# Allegro board 6089-119-RevB_08.brd (continued)
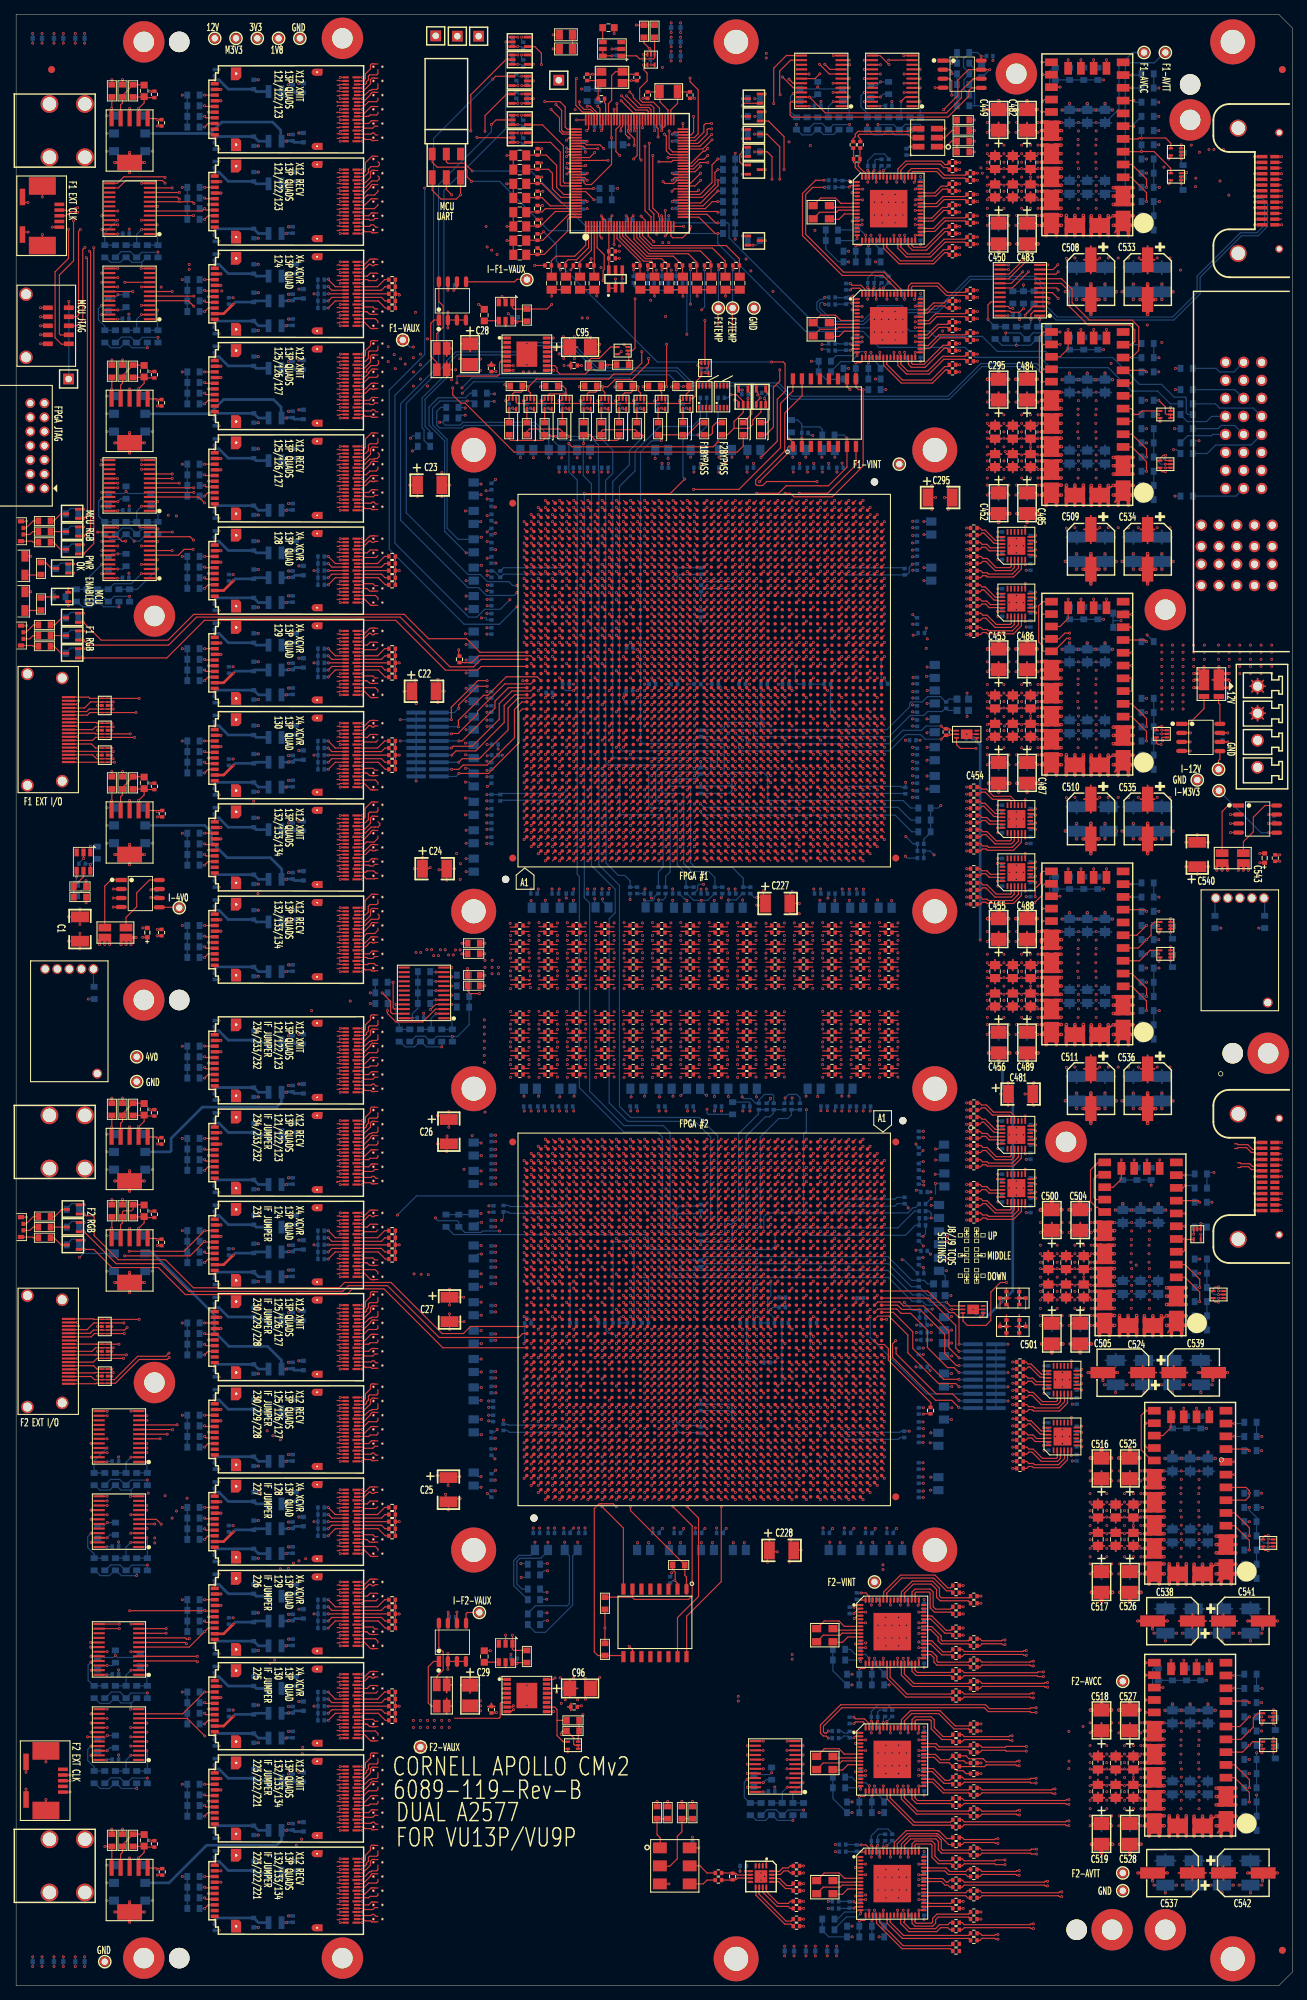
[diagram p0: board, top side]
## Routing (per net, layer and track width the routed paths; a pad name or vN(x,y) marks a point on that pad's centre or on a via; arc(x,y) is an arc through that point) (continued)
PF2_C_XMIT2: length 38.3
  TOP w0.165: 96.3,146.09 95.64,146.09 C160.2 ; U77.AH9 94.61,111.29
  SIG1 w0.083: 94.61,111.29 94.61,111.48 arc(94.67,111.64) 94.83,111.7 94.91,111.7 arc(95.16,111.8) 95.26,112.05 95.26,123.12 95.25,123.12 95.25,123.41 95.26,123.41 95.26,126.43 arc(95.21,126.67) 95.08,126.87 95.02,126.92 arc(94.97,127) 94.95,127.1 94.95,138.03 94.89,138.25 94.85,138.41 94.85,145.71 arc(94.89,145.92) 94.99,146.1 arc(95.02,146.13) 95.06,146.16 arc(95.21,146.24) 95.39,146.29 arc(95.43,146.3) 95.47,146.3 95.9,146.3 arc(96.07,146.27) 96.22,146.17 96.3,146.09
PF2_C_XMIT3: length 39.3
  TOP w0.165: 96.3,148.54 95.59,148.54 C158.2 ; U77.AJ7 93.61,113.29
  SIG1 w0.083: 96.3,148.54 96.22,148.62 arc(96.08,148.72) 95.9,148.75 94.62,148.75 arc(94.51,148.73) 94.41,148.66 arc(94.33,148.55) 94.27,148.42 arc(94.26,148.38) 94.26,148.34 94.26,114.05 arc(94.16,113.8) 93.91,113.7 93.83,113.7 arc(93.67,113.64) 93.61,113.48 93.61,113.29
PF2_D_RECV0: length 15.7
  TOP w0.165: C190.1 99.64,128.59 100.3,128.59 ; U77.AB4 101.39,116.29
  SIG2 w0.083: 100.3,128.59 100.1,128.79 arc(100.07,128.81) 100.04,128.82 99.96,128.82 arc(99.93,128.81) 99.91,128.81 arc(99.86,128.78) 99.84,128.73 99.84,128.3 99.84,128.3 arc(99.91,127.98) 100.09,127.71 101.39,126.41 arc(101.84,125.73) 102,124.94 102,117.13 arc(101.87,116.82) 101.56,116.69 101.47,116.69 arc(101.42,116.66) 101.39,116.6 101.39,116.29
PF2_D_RECV1: length 16.1
  TOP w0.165: 100.3,131.05 99.6,131.05 C188.1 ; U77.AC2 100.39,118.29
  SIG2 w0.083: 100.39,118.29 100.39,118.6 arc(100.42,118.66) 100.47,118.69 100.56,118.69 arc(100.87,118.82) 101,119.13 101,125.03 arc(100.87,125.69) 100.49,126.25 99.71,127.04 99.7,127.04 arc(99.48,127.38) 99.4,127.78 99.4,130.72 arc(99.56,131.11) 99.96,131.28 100.04,131.28 arc(100.07,131.27) 100.1,131.25 100.3,131.05
PF2_D_RECV2: length 21.1
  TOP w0.165: 100.3,133.59 99.64,133.59 C186.1 ; U77.AD4 99.39,116.29
  SIG2 w0.083: 100.3,133.59 100.1,133.79 arc(100.07,133.81) 100.04,133.82 99.25,133.82 arc(98.97,133.7) 98.85,133.42 98.85,127.51 arc(98.97,126.9) 99.32,126.38 99.59,126.11 arc(99.89,125.65) 100,125.11 100,117.13 arc(99.87,116.82) 99.56,116.69 99.47,116.69 arc(99.42,116.66) 99.39,116.6 99.39,116.29
PF2_D_RECV3: length 21.8
  TOP w0.165: C184.1 99.59,136.04 100.3,136.04 ; U77.AE2 98.39,118.29
  SIG2 w0.083: 100.3,136.04 100.1,136.24 arc(100.07,136.26) 100.04,136.27 99,136.27 arc(98.51,136.06) 98.31,135.57 98.31,127.02 arc(98.44,126.34) 98.83,125.77 arc(98.96,125.58) 99,125.35 99,119.13 arc(98.87,118.82) 98.56,118.69 98.47,118.69 arc(98.42,118.66) 98.39,118.6 98.39,118.29
PF2_D_XMIT0: length 33.1
  TOP w0.165: U77.AB9 101.39,111.29 ; C182.2 99.64,141.09 100.3,141.09
  SIG1 w0.083: 100.3,141.09 100.1,141.29 arc(100.07,141.31) 100.04,141.31 99.96,141.31 arc(99.9,141.29) 99.88,141.23 99.88,140.5 arc(99.9,140.38) 99.97,140.28 100.87,139.38 arc(101.12,139) 101.21,138.55 101.21,127.04 arc(101.22,126.99) 101.25,126.95 101.68,126.51 arc(101.92,126.16) 102,125.75 102,112.13 arc(101.87,111.82) 101.56,111.69 101.47,111.69 arc(101.42,111.66) 101.39,111.6 101.39,111.29
PF2_D_XMIT1: length 33.7
  TOP w0.165: U77.AC7 100.39,113.29 ; 100.3,143.55 99.6,143.55 C180.2
  SIG1 w0.083: 100.39,113.29 100.39,113.38 arc(100.45,113.53) 100.6,113.59 arc(100.89,113.71) 101.01,114 101.01,121.74 101.1,121.83 101.1,122.16 101.01,122.25 101.01,122.58 101.1,122.67 101.1,123 101.01,123.09 101.01,125.5 arc(100.9,126.04) 100.59,126.5 100.25,126.84 arc(100.04,127.17) 99.96,127.55 99.96,127.79 99.95,127.8 99.95,139.01 arc(99.84,139.59) 99.51,140.09 99.51,140.09 arc(99.4,140.25) 99.36,140.45 99.36,143.18 arc(99.53,143.6) 99.96,143.78 100.04,143.78 arc(100.07,143.77) 100.1,143.75 100.3,143.55
PF2_D_XMIT2: length 38.5
  TOP w0.165: U77.AD9 99.39,111.29 ; 100.3,146.09 99.64,146.09 C178.2
  SIG1 w0.083: 99.39,111.29 99.39,111.53 arc(99.44,111.64) 99.55,111.69 arc(99.87,111.83) 100.01,112.15 100.01,126.06 arc(99.95,126.37) 99.78,126.62 99.24,127.16 99.22,127.18 99.2,127.25 99.2,138.73 99.2,138.82 99.2,138.95 arc(99.18,139.07) 99.14,139.18 99.08,139.29 99.05,139.32 arc(98.91,139.59) 98.86,139.9 98.86,143.4 arc(98.89,143.54) 98.97,143.66 99.08,143.77 arc(99.17,143.91) 99.2,144.07 99.2,146.22 arc(99.22,146.27) 99.26,146.3 arc(99.33,146.31) 99.4,146.31 100.04,146.31 arc(100.07,146.31) 100.1,146.29 100.3,146.09
PF2_D_XMIT3: length 39.4
  TOP w0.165: U77.AE7 98.39,113.29 ; 100.3,148.54 99.59,148.54 C176.2
  SIG1 w0.083: 100.3,148.54 100.1,148.74 arc(100.07,148.76) 100.04,148.76 98.75,148.76 arc(98.47,148.65) 98.36,148.37 98.36,127.13 arc(98.4,126.95) 98.5,126.8 arc(98.79,126.42) 98.98,125.99 arc(99,125.92) 99,125.85 99,114.13 arc(98.87,113.82) 98.56,113.69 98.47,113.69 arc(98.42,113.66) 98.39,113.6 98.39,113.29
PF2_E_RECV0: length 15.7
  TOP w0.165: 104.3,128.59 103.64,128.59 C210.1 ; U77.V4 105.39,116.29
  SIG2 w0.083: 104.3,128.59 104.1,128.79 arc(104.07,128.81) 104.04,128.82 103.96,128.82 arc(103.93,128.81) 103.91,128.81 arc(103.86,128.78) 103.84,128.73 103.84,128.3 103.84,128.3 arc(103.91,127.98) 104.09,127.71 105.39,126.41 arc(105.84,125.73) 106,124.94 106,117.13 arc(105.87,116.82) 105.56,116.69 105.47,116.69 arc(105.42,116.66) 105.39,116.6 105.39,116.29
PF2_E_RECV1: length 16.1
  TOP w0.165: C208.1 103.6,131.05 104.3,131.05 ; U77.W2 104.39,118.29
  SIG2 w0.083: 104.39,118.29 104.39,118.6 arc(104.42,118.66) 104.47,118.69 104.56,118.69 arc(104.87,118.82) 105,119.13 105,125.03 arc(104.87,125.69) 104.49,126.25 103.71,127.04 103.7,127.04 arc(103.48,127.38) 103.4,127.78 103.4,130.72 arc(103.56,131.11) 103.96,131.28 104.04,131.28 arc(104.07,131.27) 104.1,131.25 104.3,131.05
PF2_E_RECV2: length 21.1
  TOP w0.165: 104.3,133.59 103.64,133.59 C206.1 ; U77.Y4 103.39,116.29
  SIG2 w0.083: 104.3,133.59 104.1,133.79 arc(104.07,133.81) 104.04,133.82 103.25,133.82 arc(102.97,133.7) 102.85,133.42 102.85,127.51 arc(102.97,126.9) 103.32,126.38 103.59,126.11 arc(103.89,125.65) 104,125.11 104,117.13 arc(103.87,116.82) 103.56,116.69 103.47,116.69 arc(103.42,116.66) 103.39,116.6 103.39,116.29
PF2_E_RECV3: length 21.8
  TOP w0.165: 104.3,136.04 103.59,136.04 C204.1 ; U77.AA2 102.39,118.29
  SIG2 w0.083: 104.3,136.04 104.1,136.24 arc(104.07,136.26) 104.04,136.27 103,136.27 arc(102.51,136.06) 102.31,135.57 102.31,127.02 arc(102.44,126.34) 102.83,125.77 arc(102.96,125.58) 103,125.35 103,119.13 arc(102.87,118.82) 102.56,118.69 102.47,118.69 arc(102.42,118.66) 102.39,118.6 102.39,118.29
PF2_E_XMIT0: length 33.1
  TOP w0.165: 104.3,141.09 103.64,141.09 C202.2 ; U77.V9 105.39,111.29
  SIG1 w0.083: 105.39,111.29 105.39,111.6 arc(105.42,111.66) 105.47,111.69 105.56,111.69 arc(105.87,111.82) 106,112.13 106,125.75 arc(105.89,126.3) 105.58,126.77 105.45,126.9 arc(105.27,127.16) 105.21,127.47 105.21,138.55 arc(105.12,139) 104.87,139.38 103.97,140.28 arc(103.9,140.38) 103.88,140.5 103.88,141.23 arc(103.9,141.29) 103.96,141.31 104.04,141.31 arc(104.07,141.31) 104.1,141.29 104.3,141.09
PF2_E_XMIT1: length 33.7
  TOP w0.165: C200.2 103.6,143.55 104.3,143.55 ; U77.W7 104.39,113.29
  SIG1 w0.083: 104.3,143.55 104.1,143.75 arc(104.07,143.77) 104.04,143.78 103.96,143.78 arc(103.53,143.6) 103.36,143.18 103.36,140.45 arc(103.4,140.25) 103.51,140.09 103.51,140.09 arc(103.84,139.59) 103.95,139.01 103.95,127.68 arc(104.04,127.23) 104.3,126.85 104.77,126.38 arc(104.95,126.11) 105.01,125.8 105.01,123.09 105.1,123 105.1,122.67 105.01,122.58 105.01,122.25 105.1,122.16 105.1,121.83 105.01,121.74 105.01,114 arc(104.89,113.71) 104.6,113.59 arc(104.45,113.53) 104.39,113.38 104.39,113.29
PF2_E_XMIT2: length 38.5
  TOP w0.165: U77.Y9 103.39,111.29 ; C198.2 103.64,146.09 104.3,146.09
  SIG1 w0.083: 104.3,146.09 104.1,146.29 arc(104.07,146.31) 104.04,146.31 103.4,146.31 arc(103.33,146.31) 103.26,146.3 arc(103.22,146.27) 103.2,146.22 103.2,144.07 arc(103.17,143.91) 103.08,143.77 102.97,143.66 arc(102.89,143.54) 102.86,143.4 102.86,139.9 arc(102.91,139.59) 103.05,139.32 103.08,139.29 103.14,139.18 arc(103.18,139.07) 103.2,138.95 103.2,138.82 103.2,138.73 103.2,127.25 103.22,127.18 103.24,127.16 103.78,126.62 arc(103.95,126.37) 104.01,126.06 104.01,112.15 arc(103.87,111.83) 103.55,111.69 arc(103.44,111.64) 103.39,111.53 103.39,111.29
PF2_E_XMIT3: length 39.3
  TOP w0.165: U77.AA7 102.39,113.29 ; C196.2 103.59,148.54 104.3,148.54
  SIG1 w0.083: 102.39,113.29 102.39,113.6 arc(102.42,113.66) 102.47,113.69 102.6,113.69 102.88,113.8 103,114.09 103,125.62 arc(102.95,125.88) 102.8,126.1 arc(102.7,126.25) 102.66,126.44 102.66,127.28 arc(102.66,127.36) 102.64,127.43 arc(102.61,127.5) 102.58,127.58 arc(102.54,127.64) 102.5,127.7 arc(102.4,127.87) 102.36,128.07 102.36,148.37 arc(102.47,148.65) 102.75,148.76 104.04,148.76 arc(104.07,148.76) 104.1,148.74 104.3,148.54
PF2_F_RECV0: length 15.7
  TOP w0.165: U77.P4 109.39,116.29 ; 108.3,128.59 107.64,128.59 C226.1
  SIG2 w0.083: 109.39,116.29 109.39,116.6 arc(109.42,116.66) 109.47,116.69 109.56,116.69 arc(109.87,116.82) 110,117.13 110,124.94 arc(109.84,125.73) 109.39,126.41 108.09,127.71 arc(107.91,127.98) 107.84,128.3 107.84,128.3 107.84,128.73 arc(107.86,128.78) 107.91,128.81 arc(107.93,128.81) 107.96,128.82 108.04,128.82 arc(108.07,128.81) 108.1,128.79 108.3,128.59
PF2_F_RECV1: length 16.1
  TOP w0.165: U77.R2 108.39,118.29 ; 108.3,131.05 107.6,131.05 C224.1
  SIG2 w0.083: 108.39,118.29 108.39,118.6 arc(108.42,118.66) 108.47,118.69 108.56,118.69 arc(108.87,118.82) 109,119.13 109,125.03 arc(108.87,125.69) 108.49,126.25 107.71,127.04 107.7,127.04 arc(107.48,127.38) 107.4,127.78 107.4,130.72 arc(107.56,131.11) 107.96,131.28 108.04,131.28 arc(108.07,131.27) 108.1,131.25 108.3,131.05
PF2_F_RECV2: length 21.1
  TOP w0.165: U77.T4 107.39,116.29 ; 108.3,133.59 107.64,133.59 C222.1
  SIG2 w0.083: 107.39,116.29 107.39,116.6 arc(107.42,116.66) 107.47,116.69 107.56,116.69 arc(107.87,116.82) 108,117.13 108,125.11 arc(107.89,125.65) 107.59,126.11 107.32,126.38 arc(106.97,126.9) 106.85,127.51 106.85,133.42 arc(106.97,133.7) 107.25,133.82 108.04,133.82 arc(108.07,133.81) 108.1,133.79 108.3,133.59
PF2_F_RECV3: length 21.8
  TOP w0.165: U77.U2 106.39,118.29 ; 108.3,136.04 107.59,136.04 C220.1
  SIG2 w0.083: 106.39,118.29 106.39,118.6 arc(106.42,118.66) 106.47,118.69 106.56,118.69 arc(106.87,118.82) 107,119.13 107,125.35 arc(106.96,125.58) 106.83,125.77 arc(106.44,126.34) 106.31,127.02 106.31,135.57 arc(106.51,136.06) 107,136.27 108.04,136.27 arc(108.07,136.26) 108.1,136.24 108.3,136.04
PF2_F_XMIT0: length 33.1
  TOP w0.165: C218.2 107.64,141.09 108.3,141.09 ; U77.P9 109.39,111.29
  SIG1 w0.083: 108.3,141.09 108.1,141.29 arc(108.07,141.31) 108.04,141.31 107.96,141.31 arc(107.9,141.29) 107.88,141.23 107.88,140.5 arc(107.9,140.38) 107.97,140.28 108.87,139.38 arc(109.12,139) 109.21,138.55 109.21,128.4 arc(109.27,128.11) 109.43,127.87 109.5,127.8 arc(109.87,127.25) 110,126.59 110,112.13 arc(109.87,111.82) 109.56,111.69 109.47,111.69 arc(109.42,111.66) 109.39,111.6 109.39,111.29
PF2_F_XMIT1: length 33.7
  TOP w0.165: C216.2 107.6,143.55 108.3,143.55 ; U77.R7 108.39,113.29
  SIG1 w0.083: 108.39,113.29 108.39,113.38 arc(108.45,113.53) 108.6,113.59 arc(108.89,113.71) 109.01,114 109.01,121.74 109.1,121.83 109.1,122.16 109.01,122.25 109.01,122.58 109.1,122.67 109.1,123 109.01,123.09 109.01,125.7 arc(108.95,126.01) 108.77,126.28 108.25,126.8 arc(108.03,127.12) 107.95,127.51 107.95,127.7 107.95,139.01 arc(107.84,139.59) 107.51,140.09 107.51,140.09 arc(107.4,140.25) 107.36,140.45 107.36,143.18 arc(107.53,143.6) 107.96,143.78 108.04,143.78 arc(108.07,143.77) 108.1,143.75 108.3,143.55
PF2_F_XMIT2: length 38.5
  TOP w0.165: C214.2 107.64,146.09 108.3,146.09 ; U77.T9 107.39,111.29
  SIG1 w0.083: 107.39,111.29 107.39,111.43 arc(107.45,111.57) 107.6,111.63 107.75,111.63 arc(107.96,111.72) 108.05,111.93 108.05,125.48 arc(107.93,126.06) 107.6,126.56 107.42,126.74 arc(107.26,126.98) 107.2,127.27 107.2,138.82 107.2,138.95 arc(107.18,139.07) 107.14,139.18 107.08,139.29 107.05,139.32 arc(106.91,139.59) 106.86,139.9 106.86,143.4 arc(106.89,143.54) 106.97,143.66 107.08,143.77 arc(107.17,143.91) 107.2,144.07 107.2,146.22 arc(107.22,146.27) 107.26,146.3 arc(107.33,146.31) 107.4,146.31 108.04,146.31 arc(108.07,146.31) 108.1,146.29 108.3,146.09
PF2_F_XMIT3: length 39.3
  TOP w0.165: C212.2 107.59,148.54 108.3,148.54 ; U77.U7 106.39,113.29
  SIG1 w0.083: 108.3,148.54 108.1,148.74 arc(108.07,148.76) 108.04,148.76 106.75,148.76 arc(106.47,148.65) 106.36,148.37 106.36,128.07 arc(106.4,127.87) 106.5,127.7 arc(106.54,127.64) 106.58,127.58 arc(106.61,127.5) 106.64,127.43 arc(106.66,127.36) 106.66,127.28 106.66,126.44 arc(106.7,126.25) 106.8,126.1 arc(106.95,125.88) 107,125.62 107,114.09 106.92,113.88 106.88,113.8 106.6,113.69 106.47,113.69 arc(106.42,113.66) 106.39,113.6 106.39,113.29
PF2_FF1_RECV0: length 78.2
  TOP w0.165: U77.BB48 80.61,71.51 ; 51,113.02 50.57,113.02 50.54,112.99 50.19,112.99 50.16,113.02 50.14,113.02 50.01,113.15 49.2,113.15 48.95,113.4 U35.A18
  SIG3 w0.083: 80.61,71.51 80.61,71.2 arc(80.63,71.14) 80.69,71.11 80.77,71.11 arc(81.11,70.97) 81.25,70.64 81.25,68.39 arc(81.11,67.71) 80.73,67.13 77.83,64.23 arc(77.46,63.99) 77.04,63.9 71.95,63.9 70.39,64.51 62.1,72.8 arc(61.66,73.47) 61.5,74.26 61.5,104.06 arc(61.34,104.89) 60.87,105.59 53.71,112.74 arc(53.1,113.15) 52.37,113.3 52.17,113.3 arc(52.14,113.29) 52.11,113.27 52.11,113.26 arc(52.08,113.25) 52.05,113.24 52,113.24 51.88,113.12 arc(51.77,113.04) 51.64,113.02 51,113.02
PF2_FF1_RECV1: length 74.1
  TOP w0.165: U77.BC50 79.61,69.51 ; 45.27,113.22 45.28,113.22 45.28,113.21 45.25,113.21 45.25,113.31 45.56,113.31 45.65,113.4 U35.B18
  SIG4 w0.083: 45.27,113.22 45.28,113.22 45.28,113.21 45.25,113.21 45.25,113.31 45.45,113.51 arc(45.48,113.53) 45.51,113.54 48.35,113.54 arc(48.92,113.42) 49.4,113.1 49.54,112.97 arc(50.23,112.5) 51.05,112.34 arc(51.75,112.19) 52.36,111.8 57.01,107.14 arc(57.37,106.6) 57.5,105.96 57.5,81.1 arc(57.63,80.45) 57.99,79.91 70.56,67.34 arc(71.28,66.86) 72.12,66.69 78.82,66.69 arc(79.33,66.79) 79.77,67.09 79.8,67.12 arc(80.13,67.61) 80.25,68.19 80.25,68.64 arc(80.11,68.97) 79.77,69.11 79.69,69.11 arc(79.63,69.14) 79.61,69.2 79.61,69.51
PF2_FF1_RECV2: length 76.1
  TOP w0.165: 51,115.02 50.57,115.02 50.29,114.75 49.1,114.75 48.95,114.9 U35.A15 ; U77.BD48 78.61,71.51
  SIG3 w0.083: 78.61,71.51 78.61,71.2 arc(78.63,71.14) 78.69,71.11 78.77,71.11 arc(79.11,70.97) 79.25,70.64 79.25,68.72 arc(79.07,67.82) 78.56,67.06 76.96,65.46 arc(76.34,65.05) 75.61,64.9 72.45,64.9 70.89,65.51 63.5,72.91 arc(62.76,74.01) 62.5,75.32 62.5,104.14 arc(62.24,105.45) 61.5,106.56 52.92,115.14 arc(52.74,115.25) 52.53,115.3 52.17,115.3 arc(52.14,115.29) 52.11,115.27 52.11,115.26 arc(52.08,115.25) 52.05,115.24 52,115.24 51.88,115.12 arc(51.77,115.04) 51.64,115.02 51,115.02
PF2_FF1_RECV3: length 71.6
  TOP w0.165: U35.B15 45.65,114.9 45.56,114.81 45.25,114.81 ; U77.BE50 77.61,69.51
  SIG4 w0.083: 77.61,69.51 77.61,69.2 arc(77.63,69.14) 77.69,69.11 77.77,69.11 arc(78.11,68.97) 78.25,68.64 78.25,68.45 arc(78.17,68.11) 77.99,67.81 arc(77.89,67.73) 77.76,67.7 72.58,67.7 arc(71.77,67.86) 71.08,68.32 59.06,80.34 arc(58.65,80.96) 58.5,81.69 58.5,106.58 arc(58.31,107.53) 57.78,108.33 52.48,113.63 arc(51.74,114.12) 50.87,114.29 50.39,114.29 arc(49.72,114.42) 49.15,114.8 arc(48.89,114.97) 48.59,115.04 45.51,115.04 arc(45.48,115.03) 45.45,115.01 45.25,114.81
PF2_FF1_RECV4: length 73.1
  TOP w0.165: 48.05,116.4 U35.A12 49.69,116.4 49.9,116.61 50.83,116.61 51,116.77 51,117.02 ; U77.BF48 76.61,71.51
  SIG3 w0.083: 51,117.02 51.64,117.02 arc(51.77,117.04) 51.88,117.12 52,117.24 52.05,117.24 arc(52.08,117.25) 52.11,117.26 52.11,117.27 arc(52.14,117.29) 52.17,117.3 52.33,117.3 arc(52.54,117.25) 52.72,117.14 62.72,107.14 arc(63.41,106.1) 63.65,104.88 63.65,76.94 arc(63.87,75.84) 64.49,74.92 72.12,67.29 arc(72.72,66.88) 73.44,66.74 75.59,66.74 arc(76.76,67.23) 77.25,68.4 77.25,70.64 arc(77.11,70.97) 76.77,71.11 76.69,71.11 arc(76.63,71.14) 76.61,71.2 76.61,71.51
PF2_FF1_RECV5: length 71.6
  TOP w0.165: U35.B12 45.65,116.4 45.56,116.31 45.25,116.31 ; U77.BG46 75.61,73.51
  SIG4 w0.083: 75.61,73.51 75.61,73.2 arc(75.63,73.14) 75.69,73.11 75.77,73.11 arc(76.11,72.97) 76.25,72.64 76.25,70.35 arc(76.12,70.03) 75.8,69.9 72.12,69.9 arc(71.09,70.11) 70.21,70.69 60.22,80.68 arc(59.69,81.48) 59.5,82.43 59.5,107.78 arc(59.33,108.63) 58.85,109.36 52.39,115.81 arc(51.92,116.13) 51.35,116.24 49.61,116.24 arc(49.34,116.3) 49.1,116.45 arc(49.01,116.51) 48.9,116.54 45.51,116.54 arc(45.48,116.53) 45.45,116.51 45.25,116.31
PF2_FF1_RECV6: length 70.5
  TOP w0.165: 48,117.9 U35.A9 49.1,117.9 49.68,118.47 50.8,118.47 51,118.67 51,119.02 ; U77.BG50 75.61,69.51
  SIG3 w0.083: 75.61,69.51 75.61,69.2 arc(75.63,69.14) 75.69,69.11 75.77,69.11 arc(76.11,68.97) 76.25,68.64 76.25,68.35 arc(76.12,68.03) 75.8,67.9 73.98,67.9 arc(73.08,68.08) 72.31,68.59 65.68,75.23 arc(65.09,76.1) 64.89,77.13 64.89,106.14 arc(64.73,106.95) 64.28,107.63 52.77,119.14 arc(52.59,119.25) 52.38,119.3 52.17,119.3 arc(52.14,119.29) 52.11,119.27 52.11,119.26 arc(52.08,119.25) 52.05,119.24 52,119.24 51.88,119.12 arc(51.77,119.04) 51.64,119.02 51,119.02
PF2_FF1_RECV7: length 68.8
  TOP w0.165: 45.25,117.81 45.56,117.81 45.65,117.9 U35.B9 ; U77.BH48 74.61,71.51
  SIG4 w0.083: 74.61,71.51 74.61,71.2 arc(74.63,71.14) 74.69,71.11 74.77,71.11 arc(74.96,71.19) 75.04,71.38 75.04,71.6 arc(74.94,71.84) 74.7,71.94 71.47,71.94 arc(70.54,72.13) 69.74,72.66 61.22,81.18 arc(60.69,81.98) 60.5,82.93 60.5,85.02 60.35,85.17 60.35,85.5 60.5,85.65 60.5,85.98 60.35,86.13 60.35,86.46 60.5,86.61 60.5,86.94 60.35,87.09 60.35,87.42 60.5,87.57 60.5,87.9 60.35,88.05 60.35,88.38 60.5,88.53 60.5,88.86 60.35,89.01 60.35,89.34 60.5,89.49 60.5,108.73 arc(60.33,109.58) 59.85,110.31 52.41,117.75 arc(51.75,118.19) 50.97,118.34 49.54,118.34 arc(49.49,118.33) 49.45,118.3 arc(49.15,118.1) 48.81,118.04 45.51,118.04 arc(45.48,118.03) 45.45,118.01 45.25,117.81
PF2_FF1_RECV8: length 68.7
  TOP w0.165: U35.A6 49.15,119.4 49.82,120.07 50.04,120.07 50.17,120.2 50.83,120.2 51,120.37 51,121.02 ; U77.BJ46 73.61,73.51
  SIG3 w0.083: 51,121.02 51.64,121.02 arc(51.77,121.04) 51.88,121.12 52,121.24 52.05,121.24 arc(52.08,121.25) 52.11,121.26 52.11,121.27 arc(52.14,121.29) 52.17,121.3 52.43,121.3 arc(53.49,121.08) 54.38,120.49 65.82,109.05 arc(65.95,108.85) 66,108.62 66,77.45 arc(66.19,76.48) 66.74,75.66 69.95,72.46 arc(70.51,72.08) 71.17,71.95 73.75,71.95 arc(74.07,72.08) 74.2,72.4 74.2,72.69 arc(74.08,72.99) 73.77,73.11 73.69,73.11 arc(73.63,73.14) 73.61,73.2 73.61,73.51
PF2_FF1_RECV9: length 66.3
  TOP w0.165: 45.25,119.31 45.56,119.31 45.65,119.4 U35.B6 ; U77.BL46 71.61,73.51
  SIG4 w0.083: 71.61,73.51 71.61,73.2 arc(71.63,73.14) 71.69,73.11 71.77,73.11 arc(71.96,73.19) 72.04,73.38 72.04,73.6 arc(71.94,73.84) 71.7,73.94 70.64,73.94 arc(70.01,74.07) 69.48,74.42 62.39,81.51 arc(61.73,82.5) 61.5,83.66 61.5,86.1 61.35,86.25 61.35,86.58 61.5,86.73 61.5,87.06 61.35,87.21 61.35,87.54 61.5,87.69 61.5,88.02 61.35,88.17 61.35,88.5 61.5,88.65 61.5,88.98 61.35,89.13 61.35,89.46 61.5,89.61 61.5,89.94 61.35,90.09 61.35,90.42 61.5,90.57 61.5,90.9 61.35,91.05 61.35,91.38 61.5,91.53 61.5,109.17 arc(61.24,110.45) 60.52,111.54 52.19,119.86 arc(51.72,120.18) 51.15,120.29 50.19,120.29 arc(49.82,120.22) 49.5,120 arc(48.98,119.66) 48.37,119.54 45.51,119.54 arc(45.48,119.53) 45.45,119.51 45.25,119.31
PF2_FF1_RECV10: length 55.3
  TOP w0.165: U77.BL32 71.61,87.51 ; 51,123.02 51,122.42 50.83,122.25 49.83,122.25 49.66,122.09 49.66,121.55 49.38,121.26 49.38,121.07 49.21,120.9 U35.A3
  SIG3 w0.083: 71.61,87.51 71.61,87.2 arc(71.63,87.14) 71.69,87.11 71.77,87.11 arc(72.11,86.97) 72.25,86.64 72.25,86.45 arc(72.1,86.1) 71.75,85.95 71.48,85.95 arc(70.81,86.08) 70.24,86.46 67.77,88.93 arc(67.2,89.78) 67,90.79 67,109.97 arc(66.97,110.14) 66.87,110.28 54.81,122.34 arc(53.76,123.05) 52.51,123.3 52.17,123.3 arc(52.14,123.29) 52.11,123.27 52.11,123.26 arc(52.08,123.25) 52.05,123.24 52,123.24 51.88,123.12 arc(51.77,123.04) 51.64,123.02 51,123.02
PF2_FF1_RECV11: length 58.8
  TOP w0.165: U35.B3 45.65,120.9 45.56,120.81 45.25,120.81 ; U77.BK34 72.61,85.51
  SIG4 w0.083: 72.61,85.51 72.61,85.2 arc(72.63,85.14) 72.69,85.11 72.77,85.11 arc(73.11,84.97) 73.25,84.64 73.25,84.4 arc(73.12,84.08) 72.8,83.95 71.42,83.95 arc(70.85,84.06) 70.36,84.39 63.06,91.69 arc(62.65,92.31) 62.5,93.04 62.5,110.35 arc(62.29,111.42) 61.68,112.32 52.24,121.76 arc(51.77,122.08) 51.2,122.19 50.69,122.19 arc(50.18,122.09) 49.75,121.8 arc(48.9,121.23) 47.9,121.04 45.51,121.04 arc(45.48,121.03) 45.45,121.01 45.25,120.81
PF2_FF1_XMIT0: length 88.1
  TOP w0.165: U34.B18 45.65,126.4 45.56,126.31 45.25,126.31 ; U77.BB43 80.61,76.51
  SIG1 w0.083: 45.25,126.31 45.45,126.51 arc(45.48,126.53) 45.51,126.54 48.35,126.54 arc(48.92,126.42) 49.4,126.1 49.54,125.97 arc(50.21,125.51) 51,125.34 arc(51.07,125.34) 51.13,125.33 arc(51.71,125.17) 52.23,124.86 arc(52.26,124.84) 52.29,124.81 60.24,116.87 arc(61.17,115.47) 61.5,113.82 61.5,78.66 arc(61.64,77.96) 62.04,77.36 67.54,71.86 arc(68.55,71.19) 69.74,70.95 80.75,70.95 arc(81.1,71.1) 81.25,71.45 81.25,75.64 arc(81.11,75.97) 80.77,76.11 80.69,76.11 arc(80.63,76.14) 80.61,76.2 80.61,76.51
PF2_FF1_XMIT1: length 79.9
  TOP w0.165: U77.BC45 79.61,74.51 ; 51,126.02 50.57,126.02 50.54,125.99 50.19,125.99 50.16,126.02 50.14,126.02 50.01,126.15 49.2,126.15 48.95,126.4 U34.A18
  SIG2 w0.083: 51,126.02 51.64,126.02 arc(51.77,126.04) 51.88,126.12 52,126.24 52.05,126.24 arc(52.08,126.25) 52.11,126.26 52.11,126.27 arc(52.14,126.29) 52.17,126.3 52.23,126.3 arc(52.45,126.25) 52.63,126.13 54.01,124.74 arc(54.63,123.83) 54.84,122.75 54.84,109.24 arc(55.02,108.34) 55.53,107.57 61.81,101.3 arc(62.31,100.54) 62.49,99.65 62.49,79.53 arc(62.69,78.5) 63.28,77.63 68.45,72.46 arc(69.01,72.08) 69.67,71.95 79.65,71.95 arc(80.07,72.13) 80.25,72.55 80.25,73.64 arc(80.11,73.97) 79.77,74.11 79.69,74.11 arc(79.63,74.14) 79.61,74.2 79.61,74.51
PF2_FF1_XMIT2: length 85.4
  TOP w0.165: U77.BD43 78.61,76.51 ; 45.25,127.81 45.56,127.81 45.65,127.9 U34.B15
  SIG1 w0.083: 78.61,76.51 78.61,76.2 arc(78.63,76.14) 78.69,76.11 78.77,76.11 arc(79.11,75.97) 79.25,75.64 79.25,72.45 arc(79.1,72.1) 78.75,71.95 70,71.95 arc(69.03,72.14) 68.21,72.69 63.6,77.3 arc(62.79,78.52) 62.5,79.96 62.5,114.66 arc(62.2,116.18) 61.34,117.46 52.15,126.65 arc(51.44,127.12) 50.61,127.29 50.39,127.29 arc(49.72,127.42) 49.15,127.8 arc(48.89,127.97) 48.59,128.04 45.51,128.04 arc(45.48,128.03) 45.45,128.01 45.25,127.81
PF2_FF1_XMIT3: length 78
  TOP w0.165: 51,128.02 50.57,128.02 50.29,127.75 49.1,127.75 48.95,127.9 U34.A15 ; U77.BE45 77.61,74.51
  SIG2 w0.083: 51,128.02 51.64,128.02 arc(51.77,128.04) 51.88,128.12 52,128.24 52.05,128.24 arc(52.08,128.25) 52.11,128.26 52.11,128.27 arc(52.14,128.29) 52.17,128.3 52.23,128.3 arc(53.04,128.13) 53.72,127.68 55.3,126.1 arc(55.92,125.17) 56.14,124.07 56.14,109.88 arc(56.35,108.84) 56.93,107.97 63.19,101.71 arc(63.52,101.21) 63.64,100.63 63.64,80.07 arc(63.88,78.86) 64.56,77.84 68.67,73.74 arc(69.59,73.12) 70.69,72.9 77.8,72.9 arc(78.12,73.03) 78.25,73.35 78.25,73.64 arc(78.11,73.97) 77.77,74.11 77.69,74.11 arc(77.63,74.14) 77.61,74.2 77.61,74.51
PF2_FF1_XMIT4: length 83.2
  TOP w0.165: 45.25,129.31 45.56,129.31 45.65,129.4 U34.B12 ; U77.BF43 76.61,76.51
  SIG1 w0.083: 45.25,129.31 45.45,129.51 arc(45.48,129.53) 45.51,129.54 48.9,129.54 arc(49.01,129.51) 49.1,129.45 arc(49.34,129.3) 49.61,129.24 50.58,129.24 arc(51.72,129.01) 52.68,128.37 62.26,118.79 arc(63.29,117.25) 63.65,115.43 63.65,80.08 arc(63.89,78.85) 64.59,77.81 68.76,73.64 arc(69.58,73.09) 70.55,72.9 76.75,72.9 arc(77.1,73.05) 77.25,73.4 77.25,75.64 arc(77.11,75.97) 76.77,76.11 76.69,76.11 arc(76.63,76.14) 76.61,76.2 76.61,76.51
PF2_FF1_XMIT5: length 75.8
  TOP w0.165: U77.BH43 74.61,76.51 ; 48.05,129.4 U34.A12 49.69,129.4 49.9,129.6 50.83,129.6 51,129.77 51,130.02
  SIG2 w0.083: 74.61,76.51 74.61,76.2 arc(74.63,76.14) 74.69,76.11 74.77,76.11 arc(75.11,75.97) 75.25,75.64 75.25,75.35 arc(75.12,75.03) 74.8,74.9 70.15,74.9 arc(69.09,75.11) 68.2,75.71 65.74,78.16 arc(65.11,79.11) 64.89,80.22 64.89,100.69 arc(64.74,101.45) 64.31,102.09 58.3,108.1 arc(57.59,109.16) 57.34,110.41 57.34,125.6 arc(57.16,126.49) 56.66,127.24 54.39,129.51 arc(53.52,130.09) 52.5,130.3 52.17,130.3 arc(52.14,130.29) 52.11,130.27 52.11,130.26 arc(52.08,130.25) 52.05,130.24 52,130.24 51.88,130.12 arc(51.77,130.04) 51.64,130.02 51,130.02
PF2_FF1_XMIT6: length 81.7
  TOP w0.165: U34.B9 45.65,130.9 45.56,130.81 45.25,130.81 ; U77.BJ41 73.61,78.51
  SIG1 w0.083: 73.61,78.51 73.61,78.2 arc(73.63,78.14) 73.69,78.11 73.77,78.11 arc(74.08,77.99) 74.2,77.69 74.2,74.45 arc(74.04,74.06) 73.65,73.9 70.96,73.9 arc(70.07,74.08) 69.32,74.58 65.45,78.45 arc(65.04,79.07) 64.89,79.8 64.89,115.74 arc(64.48,117.79) 63.32,119.53 52.31,130.54 arc(51.42,131.13) 50.37,131.34 49.54,131.34 arc(49.49,131.33) 49.45,131.3 arc(49.15,131.1) 48.81,131.04 45.51,131.04 arc(45.48,131.03) 45.45,131.01 45.25,130.81
